# Altium PCB HC-SR04_v3_PCB.PcbDoc
Units mil, origin at the board's own origin, x right, y up, seen from the top; angles counter-clockwise.
Board outline 1700.79 x 984.25 mil, 2 copper layers (Top Layer, Bottom Layer), stack 61.855 mil thick; 55 components, 42 nets, 165 pads, 27 vias.
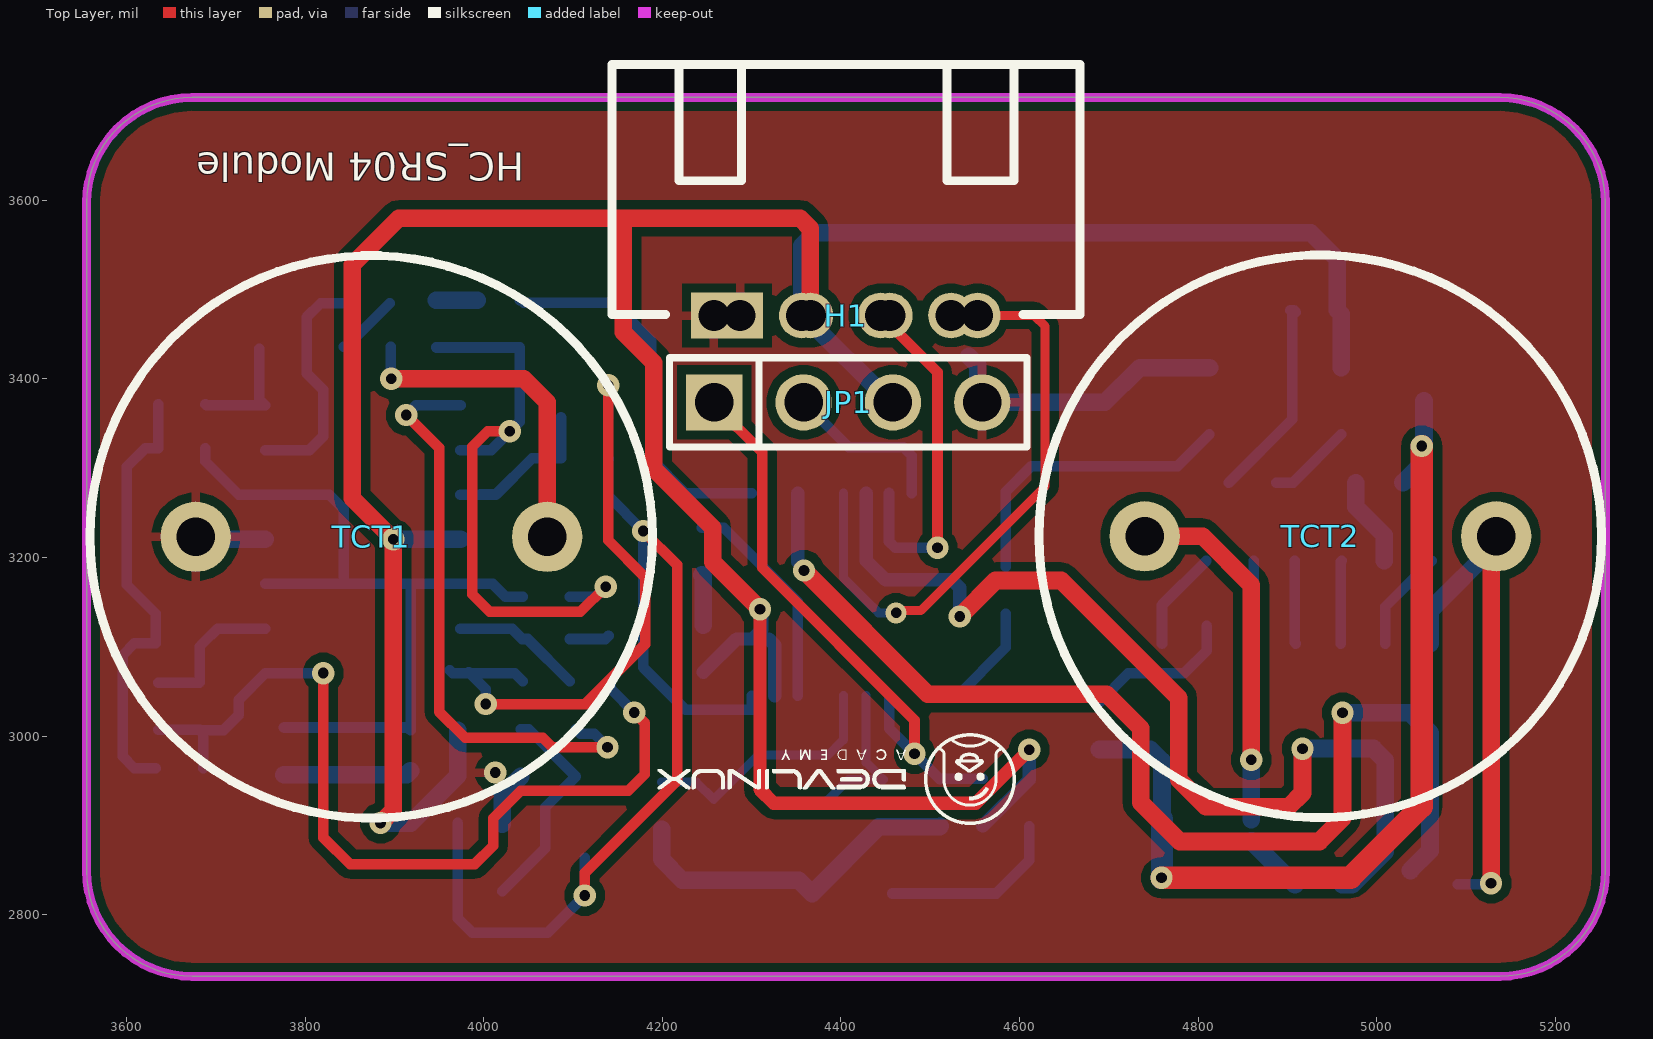
[diagram p0: Top Layer view]
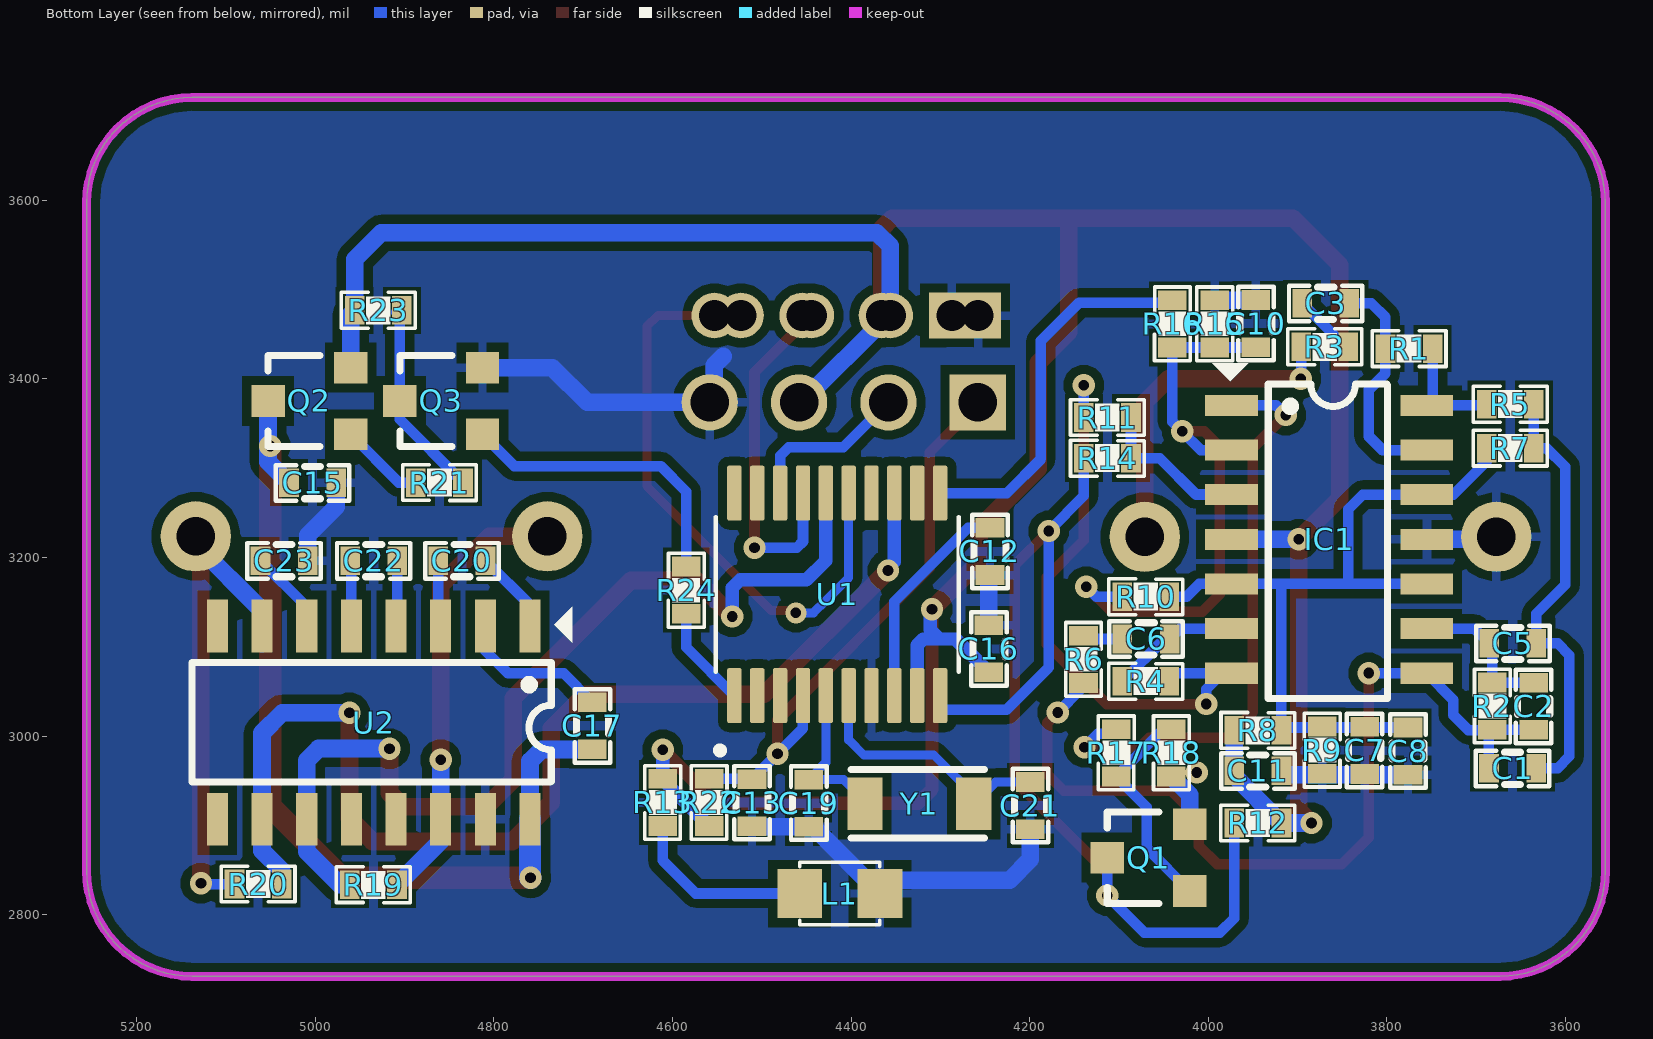
[diagram p1: Bottom Layer view, seen from below]
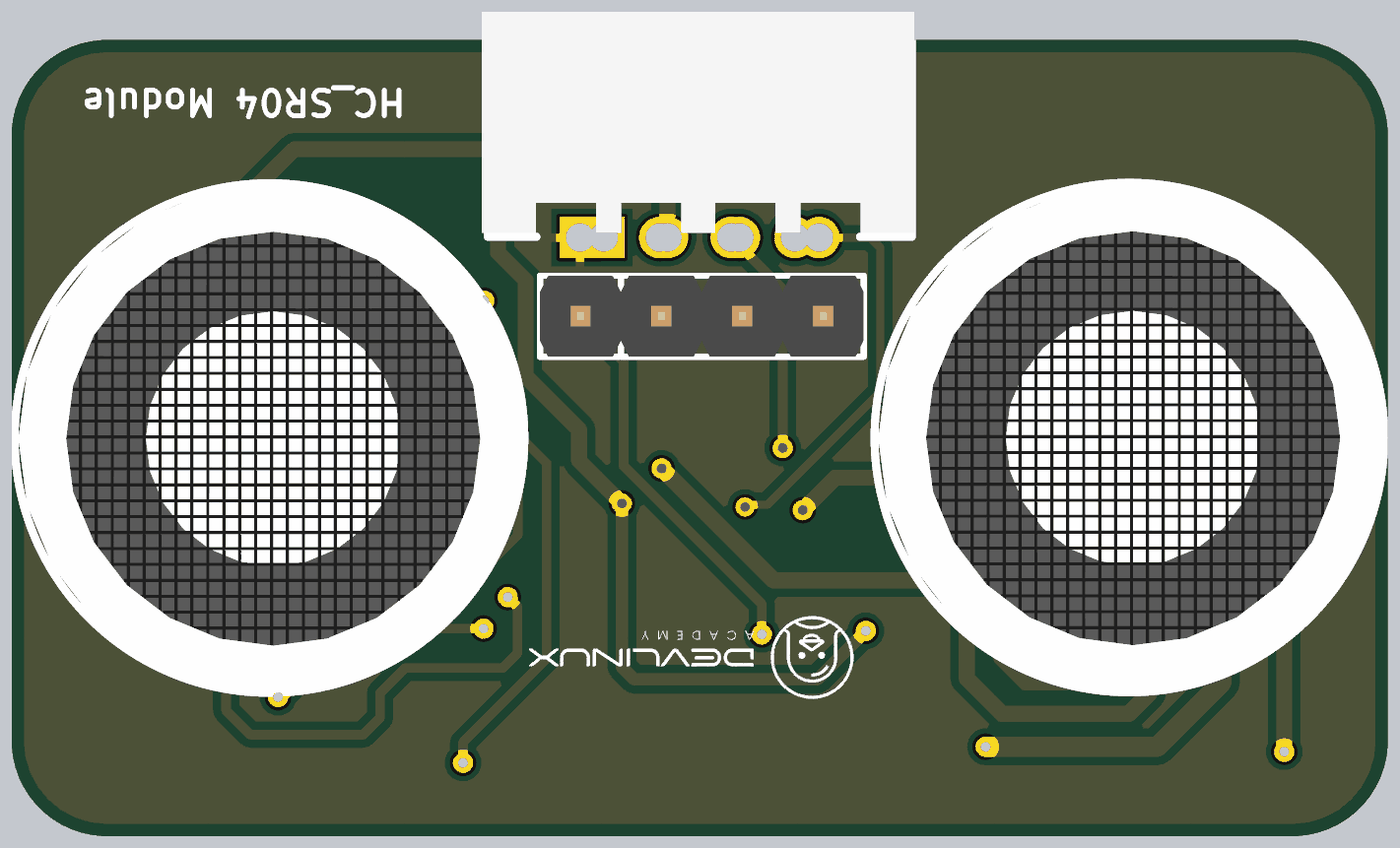
[diagram p2: 3D render of the assembled board from above, using the file's embedded part models]
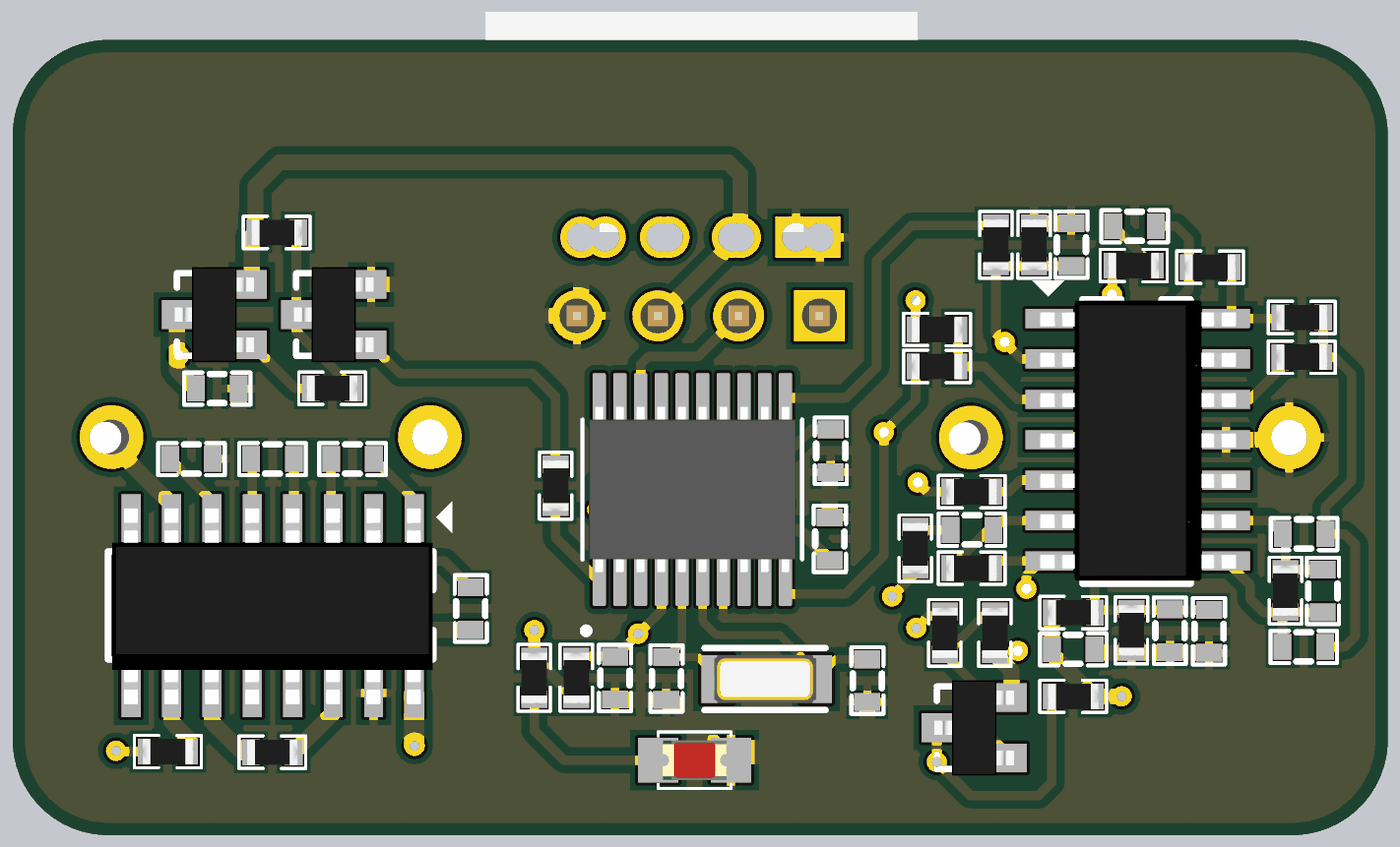
[diagram p3: 3D render of the assembled board from below, using the file's embedded part models]

## Layer stack, top to bottom
Top Solder: solder mask 0.4, Solder Resist, Dk 3.5
Top Layer: signal copper 1.4
Dielectric 1: dielectric 59.0551, FR-4, Dk 4.8
Bottom Layer: signal copper 1.4
Bottom Solder: solder mask 0.4, Solder Resist, Dk 3.5

## Board outline
3555.35,2849.02 ccw(c3673.46,2849.02) 3673.46,2730.91 5138.03,2730.91 ccw(c5138.03,2849.02) 5256.14,2849.02 5256.14,3597.05 ccw(c5138.03,3597.05) 5138.03,3715.16 3673.46,3715.16 ccw(c3673.46,3597.05) 3555.35,3597.05

## Design rules (kind name [scope] priority, off if disabled: settings)
Clearance [All] p1: gap=10 ignorepadtopadclearanceinfootprint=FALSE except(0: Arc-Hole Track-Hole SMDPad-Hole THPad-Hole Via-Hole Fill-Hole Poly-Hole Region-Hole Text-Hole; 7.01: Arc-SMDPad Track-SMDPad SMDPad-SMDPad)
PolygonConnect [All] p1: connectstyle=Relief reliefconductorwidth=10 reliefentries=4 polygonreliefangle="90 Angle" airgapwidth=10
RoomDefinition HC-SR04_v3_SCH [InComponentClass('HC-SR04_v3_SCH')] p1: confinementstyle=ConfineIn formatcopy=TRUE lockcomponents=FALSE outline 7045,1060 19180,1060 19180,1780 7045,1780
RoutingVias [All] p1: holewidth=15.75 width=31.5 viastyle="Through Hole" minholewidth=11.81 minwidth=23.62 maxholewidth=19.68 maxwidth=39.37
SolderMaskExpansion [All] p1: expansion=4 istentingtop=FALSE
Width [All] p1: maxlimit=25 minlimit=10 preferedwidth=12
30 further rules are at their usual default settings.

## Components (designator, comment, footprint, x,y, rotation, side; value= is the part's Value field where it differs from the comment)
C1 "1nF" CAP_SMD_0603 3659.3,2963.97 r180 bottom
C2 "12pF" CAP_SMD_0603 3635.77,3033.27 r90 bottom
C3 "10nF" CAP_SMD_0603 3868.5,3484.65 r180 bottom
C5 "1nF" CAP_SMD_0603 3659,3103.74 r180 bottom
C6 "10nF" CAP_SMD_0603 4069.78,3108.66 r0 bottom
C7 "1.2uF" CAP_SMD_0603 3824.81,2983.89 r270 bottom
C8 "150nF" CAP_SMD_0603 3776.38,2983.11 r270 bottom
C10 "10nF" CAP_SMD_0603 3946.85,3461.81 r90 bottom
C11 "1.2uF" CAP_SMD_0603 3944.49,2961.02 r180 bottom
C12 "1uF" CAP_SMD_0603 4244.49,3206.69 r90 bottom
C13 "100nF" CAP_SMD_0603 4511.02,2925.3 r270 bottom
C15 "150nF" CAP_SMD_0603 5003.15,3283.75 r180 bottom
C16 "100nF" CAP_SMD_0603 4245.67,3097.64 r90 bottom
C17 "150nF" CAP_SMD_0603 4689.76,3011.42 r90 bottom
C19 "22pF" CAP_SMD_0603 4447.64,2924.8 r90 bottom
C20 "150nF" CAP_SMD_0603 4835.83,3196.46 r180 bottom
C21 "22pF" CAP_SMD_0603 4199.21,2922.05 r90 bottom
C22 "150nF" CAP_SMD_0603 4934.65,3196.46 r180 bottom
C23 "150nF" CAP_SMD_0603 5035.04,3196.46 r180 bottom
H1 "Header 4P 2.54 + 2.0 Duc Cong" "Header 4P DC 2.54 + 2.0" 4258.87,3471.87 r90 top
IC1 "LM324 SOP14" SOIC14 3864.17,3198.82 r270 bottom
JP1 "J_SWIM" "JP 1x4 DT" 4258.27,3373.62 r0 top
L1 "LED 0805" LED-0805-Red 4457.72,2823.62 r180 bottom
Q1 "C1815" SOT23 4066.93,2863.78 r90 bottom
Q2 "A1015" SOT23 5006.69,3375.2 r90 bottom
Q3 "C1815" SOT23 4859.06,3375.2 r90 bottom
R1 "62k" RES_SMD_0603 3775.2,3433.86 r0 bottom
R2 "75k" RES_SMD_0603 3681.83,3033.57 r90 bottom
R3 "10k" RES_SMD_0603 3869.68,3435.83 r180 bottom
R4 "75k" RES_SMD_0603 4070.08,3061.27 r0 bottom
R5 "6.2k" RES_SMD_0603 3661.81,3371.65 r0 bottom
R6 "10k" RES_SMD_0603 4139.76,3085.83 r270 bottom
R7 "1k" RES_SMD_0603 3661.81,3322.44 r0 bottom
R8 "1k" RES_SMD_0603 3944.49,3006.3 r0 bottom
R9 "1k" RES_SMD_0603 3872.44,2984.29 r90 bottom
R10 "120k" RES_SMD_0603 4070.08,3155.91 r0 bottom
R11 "4.53k" RES_SMD_0603 4112.99,3356.69 r180 bottom
R12 "10k" RES_SMD_0603 3944.5,2902.61 r180 bottom
R13 "1k" RES_SMD_0603 4611.02,2925.6 r90 bottom
R14 "120k" RES_SMD_0603 4112.99,3311.02 r0 bottom
R15 "120k" RES_SMD_0603 3992.91,3461.51 r270 bottom
R16 "75k" RES_SMD_0603 4040.16,3461.51 r270 bottom
R17 "10k" RES_SMD_0603 4103.15,2981.1 r90 bottom
R18 "3.9k" RES_SMD_0603 4041.34,2981.1 r90 bottom
R19 "Spare R" RES_SMD_0603 4935.04,2833.46 r180 bottom
R20 "Spare R" RES_SMD_0603 5064.17,2834.25 r0 bottom
R21 "1k" RES_SMD_0603 4861.02,3283.86 r180 bottom
R22 "10k" RES_SMD_0603 4559.06,2925.6 r90 bottom
R23 "1k" RES_SMD_0603 4929.53,3476.77 r180 bottom
R24 "1k" RES_SMD_0603 4584.65,3163.39 r270 bottom
TCT1 "TCT40-16T/R" TCT40 3874.25,3223.03 r0 top locked
TCT2 "TCT40-16T/R" TCT40 4937.01,3223.62 r0 top locked
U1 "STM8S003F3P6" SOP65P640X120-20N 4415.55,3158.66 r90 bottom
U2 "MAX232AESET" SOIC16 4934.65,3005.12 r0 bottom
Y1 "16MHz" "THACH ANH DAN 3215" 4325.59,2924.02 r0 bottom

## Footprints (in the part's own frame and the unit in brackets; to place one, negate y for a bottom-side part, rotate by r counter-clockwise, add the part's x,y. Pads: shape width x height; smd on the part's side, far side on the other; paste and mask are expansions set on the pad)
CAP_SMD_0603 [mil]
  rect 22x32 smd mask+3: 1(-26.41,0) 2(26.41,0)
  silkscreen extent -41,-20 41,20, body extent -31,-16 31,16, height 12
"Header 4P DC 2.54 + 2.0" [mm]
  rect 1.3x1.3 hole 0.889: 1(-0.025,0.025) 1(-0.022,-0.719)
  round 1.3 hole 0.889: 2(-0.025,-2.475) 2(-0.022,-2.719) 3(-0.025,-4.975) 3(-0.022,-4.719) 4(-0.025,-7.475) 4(-0.022,-6.718)
  silkscreen extent 0,-10.39 7.11,2.92, body extent 0.13,-10.48 7.06,3.11, height 7.38
"JP 1x4 DT" [mm] "4 pins, 1 row, straight, gold plating"
  rect 1.6x1.6 hole 1.1: 1(0,0)
  round 1.6 hole 1.1: 2(2.54,0) 3(5.08,0) 4(7.62,0)
  silkscreen extent -1.27,-1.27 8.89,1.27, body extent -1.27,-1.27 8.89,1.27, height 8.54
LED-0805-Red [mil]
  rect 50x55 smd: 1(0,0) 2(90,0)
  silkscreen extent 0,-35 90,35, body extent 5,-25 85,25, height 43
RES_SMD_0603 [mil] "Tr? SMD 0603"
  rect 22x32 smd: 1(-26.41,0) 2(26.41,0)
  silkscreen extent -41,-20 41,20, body extent -31,-16 31,16, height 18
SOIC14 [mm]
  rect 0.6x1.5 smd: 1(-4.355,-2.79) 2(-3.085,-2.79) 3(-1.815,-2.79) 4(-0.545,-2.79) 5(0.725,-2.79) 6(1.995,-2.79) 7(3.265,-2.79) 8(3.265,2.76) 9(1.995,2.76) 10(0.725,2.76) 11(-0.545,2.76) 12(-1.815,2.76) 13(-3.085,2.76) 14(-4.355,2.76)
  silkscreen extent -5.55,-3.33 3.98,1.65, body extent -4.92,-3.08 3.89,3.08, height 2
SOIC16 [mm] "Small Outline; 16 Leads; Body Width 5.6 mm; Pitch 1.27 mm"
  rect 0.6x1.5 smd: 1(-4.445,-3) 2(-3.175,-3) 3(-1.905,-3) 4(-0.635,-3) 5(0.635,-3) 6(1.905,-3) 7(3.175,-3) 8(4.445,-3) 9(4.445,2.5) 10(3.175,2.5) 11(1.905,2.5) 12(0.635,2.5) 13(-0.635,2.5) 14(-1.905,2.5) 15(-3.175,2.5) 16(-4.445,2.5)
  silkscreen extent -5.64,-3.54 5.17,1.44, body extent -5.03,-3.31 5.05,2.85, height 2
SOP65P640X120-20N [mm]
  rrect25% 1.56x0.41 smd: 1(-2.88,2.925) 2(-2.88,2.275) 3(-2.88,1.625) 4(-2.88,0.975) 5(-2.88,0.325) 6(-2.88,-0.325) 7(-2.88,-0.975) 8(-2.88,-1.625) 9(-2.88,-2.275) 10(-2.88,-2.925) 11(2.88,-2.925) 12(2.88,-2.275) 13(2.88,-1.625) 14(2.88,-0.975) 15(2.88,-0.325) 16(2.88,0.325) 17(2.88,0.975) 18(2.88,1.625) 19(2.88,2.275) 20(2.88,2.925)
  silkscreen extent -4.54,-3.45 2.2,3.45, body extent -3.2,-3.25 3.2,3.25, height 0.53
SOT23 [mm] "SOT-23"
  rect 0.9x0.95 smd: 1(-0.95,-1.175) 2(0,1.175) 3(0.95,-1.175)
  silkscreen extent -1.3,-0.3 1.3,1.18, body extent -1.5,-1.25 1.5,1.25, height 1.05
TCT40 [mm]
  round 2 hole 1.1: 1(-5,0) 2(5,0)
  silkscreen extent -8.01,-8 7.99,8, body extent -7.89,-8.02 8.11,7.98, height 12
"THACH ANH DAN 3215" [mm] "Thach Anh Dan 5.08mm"
  rect 1x1.5 smd: 1(-1.6,0) 2(1.5,0)
  silkscreen extent -1.9,-0.98 1.9,0.97, body extent -1.6,-0.75 1.6,0.75, height 0.8

## Part data
C1 C2 C5 C6 C10 C11 C12 C13 C15 C16 C17 C19 C20 C21 C22 C23: library part "Tu 0603 102 50V 10%", "Dán", Chung_Loai=Dán, Don_Vi=Con, Ma_Hang=MH004566, So_Chan=2, Ten_Linh_Kien="Tụ 0603 102-1nF 10% 50V"
C3: library part "Tu 0603 103 50V 10%", "Dán", Chung_Loai=Dán, Don_Vi=Con, Ma_Hang=MH004567, So_Chan=2, Ten_Linh_Kien="Tụ 0603 103-10nF 10% 50V"
C7 C8: library part "Tu 0603 104 50V 10%", "Dán", Chung_Loai=Dán, Don_Vi=Con, Ma_Hang=MH004568, So_Chan=2, Ten_Linh_Kien="Tụ 0603 104-100nF 10% 50V"
H1: "Cắm", Chung_Loai=Cắm, Don_Vi=Con, Ma_Hang=MH001310, Ten_Linh_Kien="Header 4P XH2.54-4P Đực Cong"
IC1: "Dán", Chung_Loai=Dán, Don_Vi=Con, Ma_Hang=MH002173, Ten_Linh_Kien="LM324 SOP14"
JP1: library part "JP 1x4 2.54 Duc Thang", "Cắm", Chung_Loai=Cắm, Don_Vi=Con, Ma_Hang=MH000903, Ten_Linh_Kien="Jump Đơn Đực 2.54MM 1x40P Thẳng 11MM"
L1: library part "LED 0805 Do", "Dán", Chung_Loai=Dán, Don_Vi=Con, Ma_Hang=MH000897, Ten_Linh_Kien="LED 0805 Màu Đỏ (Red)"
Q1 Q3: library part Transistor_N_3P
Q2: library part Transistor_P_3P
R1 R2 R4 R5 R6 R7 R8 R9 R10 R11 R12 R13 R14 R15 R16 R17 R18 R19 R20 R21 R22 R23 R24: library part "Tro 0603 1% 1k", "Dán", Chung_Loai=Dán, Don_Vi=Con, Ma_Hang=MH006334, So_Chan=2, Ten_Linh_Kien="Trở 0603 1% 1k"
R3: library part "Tro 0603 1% 10k", "Dán", Chung_Loai=Dán, Don_Vi=Con, Ma_Hang=MH006333, So_Chan=2, Ten_Linh_Kien="Trở 0603 1% 10k"
TCT1 TCT2: "Piezoelectric Ceramic Ultrasonic Sensor"
U1: "STM8 series Microcontroller IC 8-Bit 16MHz 8KB (8K x 8) FLASH 20-TSSOP", Package="TSSOP-20 STMicroelectronics", Check_prices=https://www.snapeda.com/parts/STM8S003F3P6/STMicroelectronics/view-part/?ref=eda, MF=STMicroelectronics, MP=STM8S003F3P6, SnapEDA_Link=https://www.snapeda.com/parts/STM8S003F3P6/STMicroelectronics/view-part/?ref=snap
U2: "Dual Transmitter/Receiver RS-232 16-Pin SOIC N Tube", Package="SOIC-16 Maxim Integrated", Check_prices=https://www.snapeda.com/parts/MAX232AESE+/Analog+Devices/view-part/?ref=eda, MF="Analog Devices", MP=MAX232AESE+, SnapEDA_Link=https://www.snapeda.com/parts/MAX232AESE+/Analog+Devices/view-part/?ref=snap
Y1: library part "Thach Anh SMD 3225", "C700805", Chung_Loai=Dán, Don_Vi=Con, Ma_Hang=MH001979, Ten_Linh_Kien="Thạch Anh 16Mhz SMD5032"

## Via types
v1: diameter 25, hole 12, Top Layer to Bottom Layer, 26 vias
v2: diameter 23.62, hole 11.81, Top Layer to Bottom Layer, 1 vias

## Nets (pads, with @x,y where several pads share a name; then routed paths per layer and width w, separated by ;. In a path a pad name is that pad's centre, name@x,y a point inside that pad or via, vN(x,y) a via of type N, cw(c..) or ccw(c..) an arc to the next point about the centre after c; other vN are vias at no path point)
+5: C11.1 C16.1 H1.2 IC1.4 JP1.3 Q2.3 R8.2 R12.2 R13.2 R22.1 R23.1 U1.9 | length 3829.8
  Top Layer w15: v1(4309.45,3142.13) 4309.45,2940.16 4324.8,2924.8 4551.18,2924.8 v1(4611.02,2984.65)
  Top Layer w19.68: v1(3884.5,2902.61) 3898.62,2916.73 v1(3898.62,3220.28) 3852.76,3266.14 3852.76,3527.95 3904.72,3579.92 4156.3,3579.92 ; v1(4309.45,3142.13) 4256.68,3194.9 4256.68,3233.11 4190.55,3299.23 4190.55,3418.11 4156.3,3452.36 4156.3,3579.92 ; H1.2@4359.89,3477.02 4365.91,3471 4365.91,3568.39 4354.38,3579.92 4156.3,3579.92
  Bottom Layer w15: C16.1 4283.1,3108.66 4301.2,3108.66 ; v1(4309.45,3142.13) 4309.45,3135.04 4311.42,3133.07 4311.42,3118.88 4301.2,3108.66 ; U1.9 4325.98,3101.97 4319.29,3108.66 4301.2,3108.66 ; R22.1 4611.03,2951.16 R13.2 v1(4611.02,2984.65)
  Bottom Layer w19.68: v1@3883.46,2901.57 v1(3884.5,2902.61) R12.2 3970.9,2955.43 C11.1 R8.2 ; v1(3898.62,3220.28) IC1.4 ; JP1.3 4455.91,3373.62 4358.66,3470.87 4356.3,3470.87 4356.3,3548.82 4371.26,3563.78 4925.98,3563.78 4955.94,3533.82 R23.1 4960.43,3472.28 Q2.3
GND: C7.2 C8.2 C10.2 C11.2 C12.1 C13.2 C15.2 C16.2 C19.1 C21.1 C23.2 H1.1 IC1.11 JP1.4 L1.2 Q1.3 Q3.3 R9.1 R15.1 R18.1 TCT1.1 U1.7 U2.15 | length 1209.6
  Bottom Layer w19.68: TCT1.1 3680.16,3220.28 IC1.11 ; C8.2 3913.74,2956.69 C11.2 ; C10.2 3947.16,3487.92 R15.1 ; Q1.3 4020.67,2934.02 R18.1 ; C21.1 4199.21,2861.81 4222.44,2838.58 4352.76,2838.58 L1.2 4442.48,2898.39 C19.1 4510.53,2898.39 C13.2 ; C12.1 4245.67,3179.09 C16.2 ; 4543.17,3425.43 4553.16,3415.45 4553.16,3378.73 JP1.4 4695.67,3373.62 4734.65,3412.6 Q3.3 ; C15.2 4976.74,3256.73 5008.63,3224.84 C23.2
  other v1: 4012.99,2959.06
IN1+: IC1.3 R11.2 R14.1 | length 175.1
  Bottom Layer w11.81: IC1.3 3996.65,3270.28 3996.85,3270.47 4013.76,3270.47 4054.31,3311.03 R14.1 R11.2
IN1-: C10.1 IC1.2 R10.2 R15.2 R16.2 | length 685.1
  Top Layer w11.81: v1(4029.13,3341.34) 4004.33,3341.34 3987.01,3324.02 3987.01,3158.66 4006.69,3138.98 4108.27,3138.98 v1(4136.61,3167.32)
  Bottom Layer w11.81: C10.1 3947.15,3435.09 R15.2 R16.2 4040.16,3351.97 4029.53,3341.34 v1(4029.13,3341.34) 4029.13,3340.94 4008.46,3320.28 IC1.2 ; R10.2 4125.19,3155.9 v1(4136.61,3167.32)
IN2+: C7.1 C8.1 IC1.5 IC1.10 IC1.12 R7.2 R8.1 R9.2 R10.1 | length 876.8
  Bottom Layer w11.81: R7.2 3688.22,3307.84 3725.79,3270.28 IC1.12 3826.97,3270.28 3843.31,3253.94 3843.31,3170.28 ; IC1.10 3843.31,3170.28 ; C8.1 3914.86,3009.52 R8.1 3918.08,3170.28 ; R10.1 4024.41,3155.91 4010.04,3170.28 IC1.5 3918.08,3170.28 ; 3843.31,3170.28 3918.08,3170.28
IN2-: C6.1 IC1.6 R4.2 | length 146.9
  Bottom Layer w11.81: IC1.6 4031.75,3120.28 C6.1 4049.1,3108.66 R4.2
IN3-: C2.2 C5.1 IC1.9 R2.2 | length 168.4
  Bottom Layer w11.81: C2.2 3681.53,3059.68 R2.2 3681.84,3100.16 C5.1 3701.95,3120.28 IC1.9
IN4-: C3.2 IC1.13 R1.2 | length 259
  Bottom Layer w11.81: IC1.13 3804.92,3320.28 3820.08,3335.43 3820.08,3387.8 3801.61,3406.26 R1.2 3801.61,3468.93 3817.33,3484.65 C3.2
NetC1_2: C1.2 C5.2 R5.1 R7.1 | length 502.5
  Bottom Layer w11.81: C1.2 3608.86,2963.98 3595.67,2977.17 3595.67,3090.55 3608.86,3103.74 C5.2 3632.59,3137.1 3600.39,3169.29 3600.39,3301.57 3621.26,3322.44 R7.1 R5.1
NetC3_1: C3.1 R3.2 | length 71.9
  Bottom Layer w11.81: R3.2 3846.1,3435.83 C3.1
NetC6_2: C6.2 R6.1 | length 45.1
  Bottom Layer w11.81: C6.2 4136.19,3108.66 R6.1
NetC15_1: C15.1 C17.1 Q2.2 U2.16 | length 1035.4
  Top Layer w25: v1(4759.06,2841.34) 4970.87,2841.34 5050.39,2920.87 v1(5050.39,3324.8)
  Bottom Layer w20: C17.1 4746.49,2985 4759.65,2971.85 U2.16 ; C15.1 5052.95,3307.14 Q2.2
  Bottom Layer w25: v1(4759.06,2841.34) 4759.65,2841.93 U2.16
NetC17_2: C17.2 U2.2 | length 171.5
  Bottom Layer w11.81: C17.2 4722.01,3070.08 4784.25,3070.08 4809.65,3095.47 U2.2
NetC20_1: C20.1 U2.3 | length 94
  Bottom Layer w11.81: U2.3@4859.65,3103.54 4862.24,3106.14 C20.1
NetC20_2: C20.2 U2.1 | length 113.5
  Bottom Layer w11.81: U2.1@4759.65,3103.54 4759.65,3146.69 C20.2
NetC22_1: C22.1 U2.5 | length 93.5
  Bottom Layer w11.81: U2.5@4959.65,3103.54 4959.65,3195.04 C22.1
NetC22_2: C22.2 U2.4 | length 93.5
  Bottom Layer w11.81: C22.2 4908.23,3104.96 U2.4@4909.65,3103.54
NetC23_1: C23.1 U2.6 | length 114.4
  Bottom Layer w11.81: U2.6@5009.65,3103.54 5009.65,3144.65 C23.1
NetL1_1: L1.1 R13.1 | length 207.2
  Bottom Layer w11.81: L1.1 4574.02,2823.62 4611.02,2860.63 R13.1
NetQ1_1: Q1.1 R17.1 R18.2 | length 246.2
  Bottom Layer w11.81: Q1.1 4068.9,2874.61 4068.9,2920.44 R17.1 4050.32,3007.52 R18.2
NetQ2_1: Q2.1 R21.1 | length 95.3
  Bottom Layer w11.81: R21.1 4906.49,3283.86 Q2.1
NetQ3_1: Q3.1 R24.1 | length 338.6
  Bottom Layer w11.81: R24.1 4584.65,3273.62 4613.39,3302.36 4777.36,3302.36 Q3.1
NetQ3_2: Q3.2 R21.2 R23.2 | length 229.1
  Bottom Layer w11.81: R21.2 4905.32,3354.56 Q3.2 4905.32,3470.67 4909.45,3474.8 4907.48,3476.77 R23.2
NetR3_1: R3.1 TCT1.2 | length 372.2
  Top Layer w19.68: v1(3896.46,3400) 4044.88,3400 4071.1,3373.78 TCT1.2
  Bottom Layer w11.81: R3.1 3896.1,3400.36 v1(3896.46,3400)
NRST: C13.1 JP1.1 R22.2 U1.4 | length 651.6
  Top Layer w11.81: JP1.1 4258.27,3371.26 4311.74,3317.79 4311.74,3188.26 4482.48,3017.52 v1(4482.48,2980.25)
  Bottom Layer w11.81: U1.4 4453.94,3008.8 v1(4482.48,2980.25) C13.1 4511.33,2952.01 R22.2
OSC_IN: C19.2 U1.5 Y1.2 | length 178.4
  Bottom Layer w10: Y1.2 4384.65,2927.56 4408.3,2951.22 C19.2 4428.35,2970.51 U1.5
OSC_OUT: C21.2 U1.6 Y1.1 | length 288.9
  Bottom Layer w10: C21.2 4238.15,2948.46 4257.68,2928.94 4307.48,2978.74 4385.83,2978.74 4402.76,2995.67 U1.6
OUT1: IC1.1 R17.2 | length 661.4
  Top Layer w11.81: v1(3913.39,3359.45) 3950,3322.83 3950,3027.2 3979.17,2998.03 4065.95,2998.03 4076.57,2987.4 v1(4138.58,2987.4)
  Bottom Layer w11.81: v1(3913.39,3359.45) 3924.21,3370.28 IC1.1 ; R17.2 4108.31,3002.36 4123.62,3002.36 v1(4138.58,2987.4)
OUT2: IC1.7 R4.1 R11.1 | length 679.1
  Top Layer w11.81: v1(4002.36,3035.83) 4113.78,3035.83 4180.71,3102.76 4180.71,3177.95 4139.4,3219.26 v1(4139.4,3392.68)
  Bottom Layer w11.81: IC1.7@3961.81,3073.62 3965.16,3070.28 IC1.7 3981.69,3070.28 3983.07,3071.65 IC1.7@3984.45,3070.28 ; v1(4002.36,3035.83) 4002.36,3052.36 IC1.7@3984.45,3070.28 ; R4.1 4034.67,3070.28 IC1.7@3984.45,3070.28 ; R11.1 v1(4139.4,3392.68)
OUT3: C1.1 C2.1 IC1.8 R2.1 R6.2 | length 1000.6
  Top Layer w11.81: v1(3820.47,3070.47) 3820.37,3070.37 3820.37,2886.32 3850.39,2856.3 3989.76,2856.3 4010.63,2877.17 4010.63,2907.87 4041.34,2938.58 4161.81,2938.58 4180.31,2957.09 4180.31,3014.57 v1(4168.5,3026.38)
  Bottom Layer w11.81: C2.1 3682.14,3006.86 R2.1@3682.3,3006.69 ; C1.1 3685.72,3003.28 R2.1@3682.3,3006.69 ; v1(3820.47,3070.47) 3820.28,3070.28 IC1.8 3725.59,3040.35 3725.59,3023.52 3708.76,3006.69 R2.1@3682.3,3006.69 ; R6.2 4142.09,3057.09 4142.09,3052.79 v1(4168.5,3026.38)
OUT4: IC1.14 R1.1 R5.2 | length 134.2
  Bottom Layer w11.81: R5.2 3689.6,3370.28 IC1.14 3748.78,3377 R1.1
PWR_ON: R24.2 U1.1 | length 114
  Bottom Layer w11.81: U1.1 4584.64,3099.21 R24.2
SET1: R19.2 TCT2.1 U2.14 | length 474
  Top Layer w19.68: TCT2.1 4805.12,3223.62 4859.65,3169.09 v1(4859.65,2973.43)
  Bottom Layer w11.81: v1@4859.45,2973.62 v1(4859.65,2973.43)
  Bottom Layer w20: U2.14@4859.65,2882.45 R19.2 ; U2.14 v1(4859.65,2973.43)
SET2: R20.2 TCT2.2 U2.7 | length 586.2
  Top Layer w19.68: v1(5128.15,2835.24) 5128.15,3217.91 TCT2.2
  Bottom Layer w11.81: R20.2 5127.16,2834.25 v1(5128.15,2835.24) v1@5129.13,2836.22
  Bottom Layer w20: U2.7@5059.65,3103.54 U2.7@5059.65,3128.54 ; U2.7 5059.65,3140.57 5133.86,3214.78 TCT2.2
SIG: Q1.2 R12.1 R14.2 U1.10 | length 1189.6
  Top Layer w11.81: v1(4113.19,2821.46) 4113.19,2846.65 4216.54,2950 4216.54,3191.73 v1(4178.74,3229.53)
  Bottom Layer w11.81: R12.1 3970.91,2796.02 3987.01,2779.92 4071.65,2779.92 v1(4113.19,2821.46) Q1.2 ; R14.2@4139.77,3310.66 R14.2 4139.4,3268.86 v1(4178.74,3229.53) 4178.74,3076.77 4225.98,3029.53 4300.39,3029.53 U1.10
SOUT: H1.3 U1.17 | length 398.2
  Top Layer w12: H1.3@4444.65,3471 4508.27,3407.38 v1(4508.27,3210.71)
  Bottom Layer w12: U1.17 4453.94,3217.74 4460.97,3210.71 v1(4508.27,3210.71)
SWIM: JP1.2 U1.18 | length 187.8
  Bottom Layer w11.81: JP1.2 4408.66,3323.23 4470.08,3323.23 4479.53,3313.78 U1.18
THD: R16.1 U1.11 | length 427.1
  Bottom Layer w11.81: R16.1 4042.39,3487.92 4044.88,3485.43 4144.49,3485.43 4187.4,3442.52 4187.4,3310.24 4225.59,3272.05 U1.11
TRIG: H1.4 U1.15 | length 685.1
  Top Layer w10: v2(4461.81,3137.8) 4464.42,3140.4 4489.22,3140.4 4628.74,3279.92 4628.74,3458.66 4616.54,3470.87 4553.15,3470.87 4523.51,3470.87 H1.4@4523.38,3471
  Bottom Layer w10: U1.15 4402.76,3177.36 4427.81,3152.3 4442.32,3137.8 v2(4461.81,3137.8)
TX1: R19.1 U1.16 U2.11 | length 1103.5
  Top Layer w20: v1(4533.07,3133.86) 4573.23,3174.02 4646.85,3174.02 4778.35,3042.52 4778.35,2951.45 4808.93,2920.87 4901.57,2920.87 4916.93,2936.22 v1(4916.93,2985.83)
  Bottom Layer w15: U1.16 4428.35,3196.46 4450,3174.8 4524.28,3174.8 4533.07,3166.02 v1(4533.07,3133.86)
  Bottom Layer w20: v1(4916.93,2985.83) 4996.46,2985.83 5009.65,2972.64 5009.65,2870.67 4972.44,2833.46 R19.1
TX2: R20.1 U1.13 U2.10 | length 1266
  Top Layer w20: v1(4358.66,3185.43) 4497.24,3046.85 4697.64,3046.85 4735.83,3008.66 4735.83,2925.59 4779.53,2881.89 4935.83,2881.89 4961.81,2907.87 v1(4961.81,3025.98)
  Bottom Layer w15: U1.13 4351.57,3195.23 4358.66,3188.14 v1(4358.66,3185.43)
  Bottom Layer w20: v1(4961.81,3025.98) 5037.01,3025.98 5059.65,3003.35 U2.10 5059.65,2871.46 R20.1@5037.76,2849.57
VCAP: C12.2 U1.8 | length 246.5
  Bottom Layer w11.81: C12.2 4268.86,3233.11 4351.57,3150.39 U1.8
pads on no net: U1.2 U1.3 U1.12 U1.14 U1.19 U1.20 U2.8 U2.9 U2.12 U2.13

## Polygon pours and split planes (outlines as drawn)
GND on Bottom Layer "NONET_L-01_P-001" (solid, remove dead copper, pour order 1): 3515.75,3771.26 3515.75,2731.1 5286.61,2731.1 5286.61,3771.22 3515.78,3771.22
GND on Top Layer "NONET_L-01_P-001" (solid, remove dead copper, pour order 0): 3526.77,3733.07 3526.77,2692.91 5297.64,2692.91 5297.64,3733.03 3526.81,3733.03

## Keep-outs
Keep-Out Layer:
  the board outline again, w10

## Silkscreen, mask and mechanical layers (free items; w line width, h text height)
Top Overlay:
  drawing of 21 lines, arcs and shapes, not listed
  text "HC_SR04 Module" at 4045.28,3653.41 h31.5 r180
Mechanical 13:
  lines w10: 3677.4,3223.03 4071.1,3223.03 ; 3874.25,3223.03 3874.25,3419.88 ; 4740.39,3223.03 5134.09,3223.03 ; 4937.24,3223.03 4937.24,3419.88